# Altium PCB Hrafn_backup.PcbDoc (part 5 of 5) (continued)
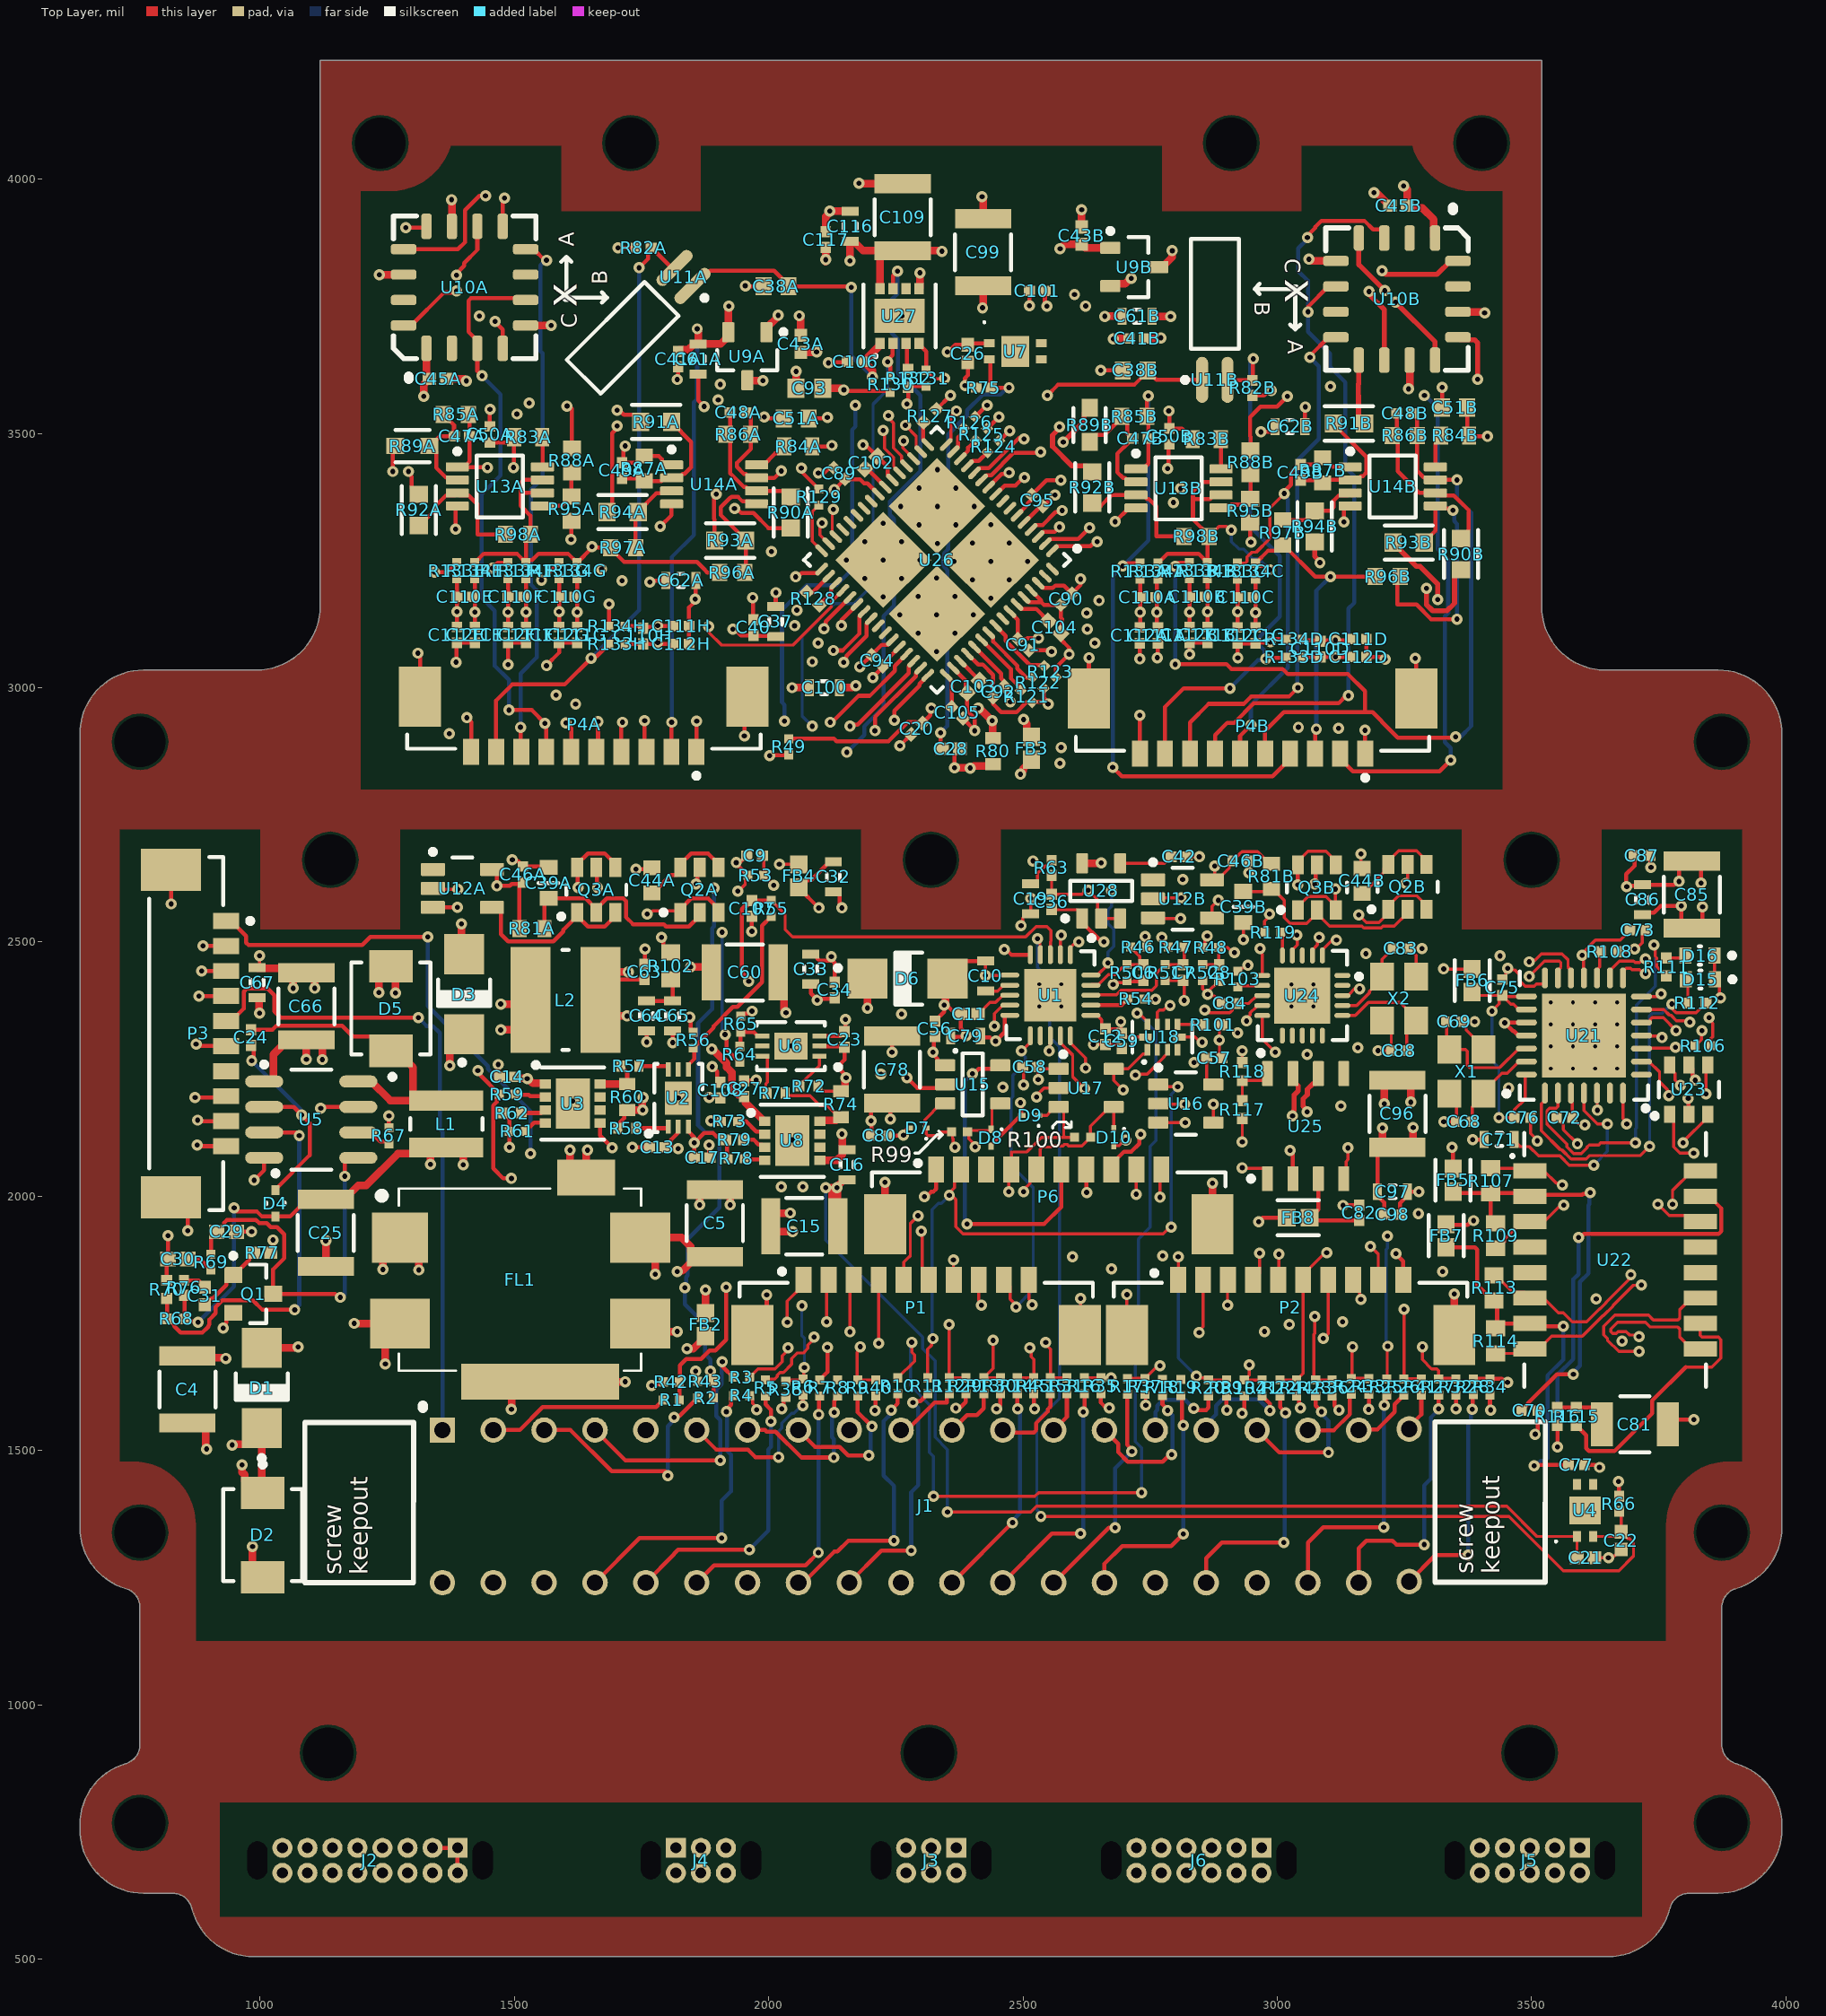
[diagram p0: Top Layer view]
## Nets (pads, with @x,y where several pads share a name; then routed paths per layer and width w, separated by ;. In a path a pad name is that pad's centre, name@x,y a point inside that pad or via, vN(x,y) a via of type N, cw(c..) or ccw(c..) an arc to the next point about the centre after c; other vN are vias at no path point) (continued)
VMON_A5V: C9.2 R49.1 R53.2 U1.20 | length 1337.9
  Top Layer w6: v1(1939.15,2599.76) 1940.31,2599.76 1953.6,2613.05 1953.6,2625.84 R53.2@1958.66,2630.91 ; U1.20@2633.35,2434.65 2646.09,2434.65 2667,2455.55 v1(2667,2459)
  Top Layer w8: C9.2@1957.09,2669.29 1956.3,2669.29 1946.48,2659.47 1939.47,2659.47 v1(1936,2656) 1936,2653.57 R53.2@1958.66,2630.91 ; v1(2001.97,2866.14) 2002.95,2867.13 2038.39,2867.13 R49.1@2039.37,2868.11
  Internal Top w6: v1(1939.15,2599.76) 1993.49,2599.76 2001.03,2592.22 2081.29,2592.22 2088.35,2599.28 2338.79,2599.28 2360.5,2621 2654,2621 v1(2674,2601)
  Internal Bottom w8: v1(1936,2656) 1936,2726.07 1932.09,2729.98 1932.09,2796.26 v1(2001.97,2866.14)
  Bottom Layer w6: v1(2667,2459) 2667,2480.1 2678,2491.1 2678,2525 2667,2536 2667,2562.84 2674,2569.84 v1(2674,2601)
VMON_D3V3: C6.2 R46.1 R50.2 U1.19 | length 165.4
  Top Layer w6: U1.19@2633.35,2414.96 2634.7,2416.3 2648.3,2416.3 2667.72,2435.72 2681.1,2435.72 2694.98,2449.61 2698.52,2449.61 R50.2@2704.38,2455.46 C6.2@2736.48,2455.46 ; R46.1@2711.25,2490 2729.64,2471.61 2729.64,2462.31 C6.2@2736.48,2455.46 ; C6.2@2736.88,2455.07 C6.2@2736.48,2455.46
VMON_D5V: C8.2 R48.1 R52.2 U1.1 | length 451
  Top Layer w6: U1.1@2593,2475 2593,2488.78 2604.22,2500 v1(2609.25,2500) ; R52.2@2852.99,2455.46 2884.41,2455.46 2884.75,2455.8 R48.1@2884.75,2489 2902.61,2489 2912.28,2479.33 v1(2915.35,2479.33)
  Internal Top w6: v1(2609.25,2500) 2632.25,2477 2658.13,2477 2659.13,2478 2914.02,2478 v1(2915.35,2479.33)
VsrA: C39A.1 Q2A.2 Q3A.2 R81A.1 | length 447.2
  Top Layer w8: R81A.1@1559.06,2526.57 1559.06,2577.76 C39A.1@1566.93,2585.63 1607.84,2585.63 1607.89,2585.69 1640.02,2585.69 Q3A.2@1660.83,2564.88 ; Q2A.2@1863.9,2557.99 1863.9,2551.1 1843.09,2530.29 1798,2530.29 1793.28,2535 1733,2535 1719.05,2548.95 1719.05,2580.42 1713.77,2585.69 1681.64,2585.69 Q3A.2@1660.83,2564.88 ; Q3A.2@1660.83,2564.88 Q3A.2@1660.83,2557.99 Q3A.2@1660.83,2564.88
VsrB: C39B.1 Q2B.2 Q3B.2 R81B.1 | length 426
  Top Layer w6: C39B.1@2933.07,2599.41 2983.27,2599.41 R81B.1@2988.19,2604.33 2991.14,2604.33 3013.58,2581.9 3013.58,2547.95 3025.23,2536.29 3057.94,2536.29 Q3B.2@3077.76,2556.1 ; Q2B.2@3255.89,2564.05 3255.89,2557.16 3229.73,2531 3207.89,2531 3204.27,2527.39 3170.06,2527.39 3166.44,2531 3102.86,2531 Q3B.2@3077.76,2556.1 ; Q3B.2@3077.76,2556.1 Q3B.2@3077.76,2562.99 Q3B.2@3077.76,2556.1
pads on no net: J1.17 J2.0 J2.4 J2.5 J2.6 J2.7 J2.8 J2.12 J2.13 J2.14 J2.15 J2.16 J3.0 J4.0 J5.0 J5.4 J5.5 J5.9 J5.10 J6.0 J6.3 J6.4 J6.5 J6.6 J6.9 J6.10 J6.11 J6.12 P3.7 P6.3 R8.1 R18.1 R19.2 U1.12 U2.5 U3.6 U4.3 U4.4 U4.5 U6.5 U7.3 U7.4 U7.5 U8.6 U10A.2 U10A.7 U10A.15 U10B.2 U10B.7 U10B.15 U12A.1 U12B.1 U18.2 U18.4 U18.7 U21.1 U21.27 U22.4 U22.5 U22.12 U22.13 U24.1 U24.2 U24.3 U24.4 U24.5 U24.9 U24.10 U24.13 U25.5 U26.7 U26.8 U26.25 U26.26 U26.27 U26.28 U26.29 U26.41 U26.42 U26.57 U26.63 U26.64 U27.6

## Polygon pours and split planes (outlines as drawn)
no net on Top Solder (solid, pour order 0): 645.5,754.31 645.5,764.34 cw(c770.5,764.34) 735.32,884.29 ccw(c724.24,922.07) 763.61,922.07 763.61,1190.88 ccw(c724.24,1190.88) 735.32,1228.66 cw(c770.5,1348.6) 645.5,1348.6 645.5,2909.82 cw(c770.5,2909.82) 770.5,3034.82 992.94,3034.82 ccw(c992.94,3159.82) 1117.94,3159.82 1117.94,4234.03 3519.52,4234.03 3519.52,3159.82 ccw(c3644.52,3159.82) 3644.52,3034.82 3866.96,3034.82 cw(c3866.96,2909.82) 3991.96,2909.82 3991.96,1348.6 cw(c3866.96,1348.6) 3902.14,1228.66 ccw(c3913.22,1190.88) 3873.85,1190.88 3873.85,922.07 ccw(c3913.22,922.07) 3902.14,884.29 cw(c3866.96,764.34) 3991.96,764.34 3991.96,754.31 cw(c3866.96,754.31) 3866.96,629.31 3809.96,629.31 ccw(c3809.96,589.94) 3771.75,599.41 cw(c3650.42,629.5) 3650.42,504.5 987.04,504.5 cw(c987.04,629.5) 865.71,599.41 ccw(c827.5,589.94) 827.5,629.31 770.5,629.31 cw(c770.5,754.31)
DGND on Bottom Layer "Bottom Layer 1-DGND" (solid, pour order 2): 645.5,754.31 645.5,764.34 cw(c770.5,764.34) 735.32,884.29 ccw(c724.24,922.07) 763.61,922.07 763.61,1190.88 ccw(c724.24,1190.88) 735.32,1228.66 cw(c770.5,1348.6) 645.5,1348.6 645.5,2909.82 cw(c770.5,2909.82) 770.5,3034.82 992.94,3034.82 ccw(c992.94,3159.82) 1117.94,3159.82 1117.94,4234.03 3519.52,4234.03 3519.52,3159.82 ccw(c3644.52,3159.82) 3644.52,3034.82 3866.96,3034.82 cw(c3866.96,2909.82) 3991.96,2909.82 3991.96,1348.6 cw(c3866.96,1348.6) 3902.14,1228.66 ccw(c3913.22,1190.88) 3873.85,1190.88 3873.85,922.07 ccw(c3913.22,922.07) 3902.14,884.29 cw(c3866.96,764.34) 3991.96,764.34 3991.96,754.31 cw(c3866.96,754.31) 3866.96,629.31 3809.96,629.31 ccw(c3809.96,589.94) 3771.75,599.41 cw(c3650.42,629.5) 3650.42,504.5 987.04,504.5 cw(c987.04,629.5) 865.71,599.41 ccw(c827.5,589.94) 827.5,629.31 770.5,629.31 cw(c770.5,754.31)
no net on Bottom Solder (solid, pour order 3): 645.5,754.31 645.5,764.34 cw(c770.5,764.34) 735.32,884.29 ccw(c724.24,922.07) 763.61,922.07 763.61,1190.88 ccw(c724.24,1190.88) 735.32,1228.66 cw(c770.5,1348.6) 645.5,1348.6 645.5,2909.82 cw(c770.5,2909.82) 770.5,3034.82 992.94,3034.82 ccw(c992.94,3159.82) 1117.94,3159.82 1117.94,4234.03 3519.52,4234.03 3519.52,3159.82 ccw(c3644.52,3159.82) 3644.52,3034.82 3866.96,3034.82 cw(c3866.96,2909.82) 3991.96,2909.82 3991.96,1348.6 cw(c3866.96,1348.6) 3902.14,1228.66 ccw(c3913.22,1190.88) 3873.85,1190.88 3873.85,922.07 ccw(c3913.22,922.07) 3902.14,884.29 cw(c3866.96,764.34) 3991.96,764.34 3991.96,754.31 cw(c3866.96,754.31) 3866.96,629.31 3809.96,629.31 ccw(c3809.96,589.94) 3771.75,599.41 cw(c3650.42,629.5) 3650.42,504.5 987.04,504.5 cw(c987.04,629.5) 865.71,599.41 ccw(c827.5,589.94) 827.5,629.31 770.5,629.31 cw(c770.5,754.31)
DGND on Top Layer "Top Layer 1-No Net" (solid, pour order 1): 645.5,754.31 645.5,764.34 cw(c770.5,764.34) 735.32,884.29 ccw(c724.24,922.07) 763.61,922.07 763.61,1190.88 ccw(c724.24,1190.88) 735.32,1228.66 cw(c770.5,1348.6) 645.5,1348.6 645.5,2909.82 cw(c770.5,2909.82) 770.5,3034.82 992.94,3034.82 ccw(c992.94,3159.82) 1117.94,3159.82 1117.94,4234.03 3519.52,4234.03 3519.52,3159.82 ccw(c3644.52,3159.82) 3644.52,3034.82 3866.96,3034.82 cw(c3866.96,2909.82) 3991.96,2909.82 3991.96,1348.6 cw(c3866.96,1348.6) 3902.14,1228.66 ccw(c3913.22,1190.88) 3873.85,1190.88 3873.85,922.07 ccw(c3913.22,922.07) 3902.14,884.29 cw(c3866.96,764.34) 3991.96,764.34 3991.96,754.31 cw(c3866.96,754.31) 3866.96,629.31 3809.96,629.31 ccw(c3809.96,589.94) 3771.75,599.41 cw(c3650.42,629.5) 3650.42,504.5 987.04,504.5 cw(c987.04,629.5) 865.71,599.41 ccw(c827.5,589.94) 827.5,629.31 770.5,629.31 cw(c770.5,754.31)
NetC4_1 on PWR (split plane): 1357.04,1880.66 1357.04,1625.13 1357.38,1622.52 1358.39,1620.08 1359.99,1617.99 1498.77,1479.22 1498.77,1192.91 1498.77,524.6 987.04,524.6 986.36,524.53 977.88,524.9 968.8,526.1 959.86,528.08 951.12,530.84 942.66,534.34 934.54,538.57 926.81,543.49 919.54,549.07 912.79,555.26 906.6,562.01 901.02,569.28 896.1,577 891.87,585.13 888.37,593.59 885.61,602.33 885.45,603.08 885.42,603.33 885.3,603.72 885.19,604.24 885.16,604.24 883.63,609.58 881.07,615.74 877.85,621.57 873.99,627.01 869.55,631.98 864.57,636.43 859.13,640.29 853.3,643.51 847.14,646.06 840.73,647.91 834.16,649.03 827.58,649.4 827.5,649.4 770.5,649.4 769.82,649.34 761.35,649.71 752.27,650.9 743.32,652.88 734.59,655.64 726.13,659.14 718,663.37 710.27,668.3 703.01,673.87 696.25,680.06 690.07,686.81 684.49,694.08 679.57,701.81 675.34,709.93 671.83,718.39 669.08,727.13 667.1,736.07 665.9,745.16 665.53,753.63 665.6,754.31 665.6,764.34 665.53,765.02 665.9,773.49 667.1,782.57 669.08,791.51 671.83,800.25 675.34,808.71 679.57,816.84 684.49,824.56 690.07,831.83 696.25,838.59 703.01,844.77 710.27,850.35 718,855.27 726.13,859.5 734.59,863.01 740.97,865.02 740.95,865.09 740.97,865.1 743.88,865.94 750.04,868.49 755.88,871.72 761.32,875.57 766.29,880.02 770.73,884.99 774.59,890.43 777.82,896.26 780.37,902.43 782.21,908.83 783.33,915.41 783.7,921.99 783.71,922.07 783.71,1190.88 783.7,1190.96 783.33,1197.54 782.21,1204.11 780.37,1210.52 777.82,1216.68 774.59,1222.51 770.73,1227.95 766.29,1232.93 761.32,1237.37 755.88,1241.23 750.04,1244.45 743.88,1247.01 740.97,1247.84 740.95,1247.85 740.97,1247.92 734.59,1249.94 726.13,1253.44 718,1257.67 710.27,1262.59 703.01,1268.17 696.25,1274.36 690.07,1281.11 684.49,1288.38 679.57,1296.1 675.34,1304.23 671.83,1312.69 669.08,1321.43 667.1,1330.37 665.9,1339.45 665.53,1347.92 665.6,1348.6 665.6,1709.91 1005,1709.91 1007.61,1710.26 1010.04,1711.27 1012.13,1712.87 1203.18,1903.91 1333.79,1903.91
D5V on PWR (split plane): 177 vertices, not listed, extent 860.48,1773.09 2608.14,2851.13
D3V3 on PWR (split plane): 319 vertices, not listed, extent 665.53,524.53 3971.93,3014.79
NetC25_1 on PWR (split plane): 1586.37,2275.83 1513.78,2275.83 1511.17,2275.49 1510.16,2275.07 1508.74,2274.48 1506.65,2272.88 1488.93,2255.16 1488.19,2254.19 1487.33,2253.08 1487.33,2253.07 1486.32,2250.64 1486.07,2248.72 1485.98,2248.03 1485.98,2070.12 1455.47,2039.61 1329.97,2039.61 1297.49,2072.09 1297.49,2126.73 1437.25,2266.49 1438.85,2268.58 1439.86,2271.01 1440.2,2273.62 1440.2,2376.73 1515,2451.53 1586.37,2451.53
A3V3 on PWR (split plane): 2610.98,3791.34 2611.32,3788.73 2612.33,3786.29 2613.93,3784.21 2714.32,3683.81 2714.32,3657.48 2714.67,3654.87 2715.68,3652.44 2717.28,3650.35 2831.45,3536.18 2833.54,3534.57 2834.25,3534.28 2835.97,3533.57 2838.58,3533.22 3499.42,3533.22 3499.42,3159.82 3499.43,3159.75 3499.79,3149.47 3500.9,3139.17 3502.74,3128.98 3505.3,3118.94 3508.57,3109.11 3512.53,3099.54 3517.17,3090.28 3522.46,3081.38 3528.36,3072.87 3534.86,3064.8 3541.92,3057.22 3549.5,3050.16 3557.57,3043.67 3566.07,3037.76 3574.98,3032.47 3584.24,3027.84 3593.81,3023.87 3603.64,3020.6 3613.67,3018.04 3623.87,3016.2 3634.16,3015.1 3644.45,3014.73 3644.52,3014.72 3647.39,3014.72 3647.39,2987.45 3462.36,2802.41 2820.87,2802.41 2818.26,2802.06 2817.54,2801.77 2815.82,2801.06 2813.73,2799.45 2672.99,2658.71 2652.32,2638.04 2627.21,2638.04 2627.21,2643.7 2627.09,2644.61 2626.87,2646.31 2626.45,2647.32 2625.86,2648.74 2624.68,2650.28 2624.26,2650.83 2584.64,2690.45 2584.64,2785.68 2584.59,2786.08 2584.3,2788.29 2583.29,2790.72 2581.69,2792.81 2506.15,2868.35 2505.87,2868.56 2504.06,2869.95 2502.63,2870.55 2501.63,2870.96 2499.36,2871.26 2499.02,2871.31 2461.61,2871.31 2459,2870.96 2456.57,2869.95 2454.48,2868.35 2441.69,2855.56 2439.96,2855.56 2437.35,2855.21 2435.92,2854.62 2434.92,2854.21 2432.83,2852.6 2366.89,2786.66 1203,2786.66 998.28,2991.38 998.28,3014.92 1003.29,3015.1 1013.59,3016.2 1023.78,3018.04 1033.82,3020.6 1043.65,3023.87 1053.21,3027.84 1062.48,3032.47 1071.38,3037.76 1079.89,3043.67 1087.96,3050.16 1095.54,3057.22 1102.59,3064.8 1109.09,3072.87 1115,3081.38 1120.29,3090.28 1124.92,3099.54 1128.89,3109.11 1132.16,3118.94 1134.72,3128.98 1136.56,3139.17 1137.66,3149.47 1138.03,3159.75 1138.04,3159.82 1138.04,3524.36 1654.53,3524.36 1657.14,3524.71 1659.57,3525.71 1661.66,3527.32 1783.71,3649.36 1941.93,3649.36 1944.54,3649.71 1946.21,3650.4 1946.97,3650.71 1947.6,3651.2 1949.06,3652.32 1969,3672.25 1976.14,3665.11 1978.22,3663.51 1980.66,3662.5 1983.27,3662.16 2049.21,3662.16 2051.82,3662.5 2054.26,3663.51 2056.34,3665.11 2057.95,3667.2 2058.95,3669.63 2059.3,3672.24 2059.3,3676.92 2192.17,3809.8 2610.98,3809.8
VBA on PWR (split plane): 2322.59,3896.9 2082.68,3896.9 2080.07,3896.55 2078.35,3895.84 2077.63,3895.55 2075.55,3893.94 2018.46,3836.86 2009.84,3836.86 2008.81,3836.72 2007.23,3836.51 2006.81,3836.34 2004.8,3835.51 2002.71,3833.9 1959.4,3790.6 1958.66,3789.62 1957.8,3788.51 1956.79,3786.07 1956.54,3784.15 1956.45,3783.46 1956.45,3688.98 1956.45,3688.23 1937.75,3669.53 1779.53,3669.53 1776.92,3669.19 1774.48,3668.18 1772.4,3666.58 1650.35,3544.53 1138.04,3544.53 1138.04,4213.93 2322.59,4213.93
3V3_RAW on PWR (split plane): 1905.27,2310.78 1905.27,2265.99 1843.74,2265.99 1836.86,2272.88 1834.77,2274.48 1833.76,2274.9 1832.33,2275.49 1830.07,2275.79 1829.72,2275.83 1606.54,2275.83 1606.54,2459.4 1756.65,2459.4
5V_RAW on PWR (split plane): 1624.76,2227.36 1624.76,2144.69 1625.1,2142.08 1626.11,2139.64 1627.71,2137.55 1716.29,2048.97 1786.18,1979.09 1788.26,1977.48 1790.7,1976.48 1793.31,1976.13 1956.45,1976.13 1956.45,1952.71 1825.83,1822.09 1754.19,1822.09 1506.15,2070.12 1506.15,2243.85 1517.96,2255.66 1624.76,2255.66
NetC32_2 on PWR (split plane): 2242.87,2556.84 2244.96,2555.24 2247.39,2554.23 2250,2553.89 2374.75,2553.89 2377.36,2554.23 2379.8,2555.24 2381.89,2556.84 2388.77,2563.73 2546.02,2563.73 2576.53,2533.22 2578.62,2531.62 2581.05,2530.61 2582.63,2530.4 2583.66,2530.27 2644.44,2530.27 2664.13,2510.59 2664.13,2480.56 2652.32,2468.75 2595.71,2468.75 2558.3,2506.16 2557.95,2507.01 2556.34,2509.1 2554.26,2510.7 2551.82,2511.71 2549.21,2512.05 2033.71,2512.05 2033.71,2569.64 2050.44,2586.37 2213.34,2586.37
A5V on PWR (split plane): 2561.76,3583.97 2561.76,3557.03 2420.03,3415.29 2419.66,3414.81 2418.43,3413.21 2418.01,3412.2 2417.42,3410.77 2417.12,3408.51 2417.08,3408.16 2417.08,3339.57 2417.23,3338.42 2417.42,3336.96 2417.9,3335.81 2418.43,3334.53 2418.43,3334.52 2419.29,3333.4 2420.03,3332.44 2426.92,3325.55 2426.92,3043.31 2427.27,3040.7 2428.27,3038.26 2429.88,3036.18 2521.66,2944.39 2502.71,2925.44 2325.04,2925.44 2256.15,2994.34 2256.15,3041.34 2256.15,3472.44 2255.81,3475.05 2254.8,3477.48 2253.2,3479.57 2186.27,3546.5 2186.27,3663.14 2203,3679.87 2465.86,3679.87
MAG_5V on PWR (split plane): 2729.09,3880.16 2678.89,3829.97 2187.99,3829.97 2185.38,3829.62 2183.66,3828.91 2182.95,3828.62 2180.86,3827.01 2042.08,3688.23 2040.48,3686.15 2039.47,3683.71 2039.29,3682.33 1987.45,3682.33 1976.62,3693.15 1976.62,3779.29 2014.02,3816.69 2022.64,3816.69 2025.25,3817.03 2027.68,3818.04 2029.77,3819.64 2086.86,3876.73 2328.52,3876.73 2330.07,3876.08 2332.68,3875.74 2335.29,3876.08 2336.84,3876.73 2620.08,3876.73 2620.77,3876.82 2622.69,3877.07 2625.12,3878.08 2626.58,3879.19 2627.21,3879.68 2679.38,3931.84 2729.09,3931.84
VBB on PWR (split plane): 3499.42,3553.39 2842.76,3553.39 2734.5,3661.66 2734.5,3687.99 2734.15,3690.6 2733.14,3693.04 2731.54,3695.12 2631.15,3795.52 2631.15,3809.8 2683.07,3809.8 2683.76,3809.89 2685.68,3810.14 2688.11,3811.15 2689.57,3812.26 2690.2,3812.75 2746.31,3868.85 2747.91,3870.94 2748.33,3871.95 2748.92,3873.37 2749.26,3875.98 2749.26,3941.93 2748.92,3944.54 2747.91,3946.97 2746.31,3949.06 2744.22,3950.66 2741.78,3951.67 2739.17,3952.02 2675.2,3952.02 2674.51,3951.93 2672.59,3951.67 2672.17,3951.5 2670.15,3950.66 2668.34,3949.27 2668.07,3949.06 2615.9,3896.9 2342.76,3896.9 2342.76,4213.93 3499.42,4213.93
SGND on GND (split plane): 267 vertices, not listed, extent 665.53,524.53 3971.93,1781.25
DGND on GND (split plane): 3876.11,3014.42 3885.19,3013.22 3894.13,3011.24 3902.87,3008.49 3911.33,3004.98 3919.46,3000.75 3927.18,2995.83 3934.45,2990.25 3941.2,2984.06 3947.39,2977.31 3952.97,2970.04 3957.89,2962.32 3962.12,2954.19 3965.62,2945.73 3968.38,2936.99 3970.36,2928.05 3971.56,2918.97 3971.93,2910.5 3971.86,2909.82 3971.86,1628.09 3776,1628.09 3773.39,1627.74 3771.67,1627.03 3770.96,1626.73 3768.87,1625.13 3708.42,1564.68 3706.82,1562.6 3705.81,1560.16 3705.47,1557.55 3705.47,817.17 1501.23,817.17 1415.6,902.8 1415.6,1753.94 1415.25,1756.55 1414.74,1757.8 1414.25,1758.98 1412.64,1761.07 1375.24,1798.47 1374.69,1798.89 1373.15,1800.07 1370.72,1801.08 1369.14,1801.29 1368.11,1801.42 1081.69,1801.42 1079.08,1801.08 1076.65,1800.07 1074.56,1798.47 1003.7,1727.61 665.6,1727.61 665.6,2909.82 665.53,2910.5 665.9,2918.97 667.1,2928.05 669.08,2936.99 671.83,2945.73 675.34,2954.19 679.57,2962.32 684.49,2970.04 690.07,2977.31 696.25,2984.06 703.01,2990.25 710.27,2995.83 718,3000.75 726.13,3004.98 734.59,3008.49 743.32,3011.24 752.27,3013.22 761.35,3014.42 769.82,3014.79 770.5,3014.72 980.07,3014.72 980.07,2986.22 980.42,2983.61 981.42,2981.18 983.03,2979.09 1195.62,2766.49 1197.71,2764.89 1198.43,2764.59 1200.15,2763.88 1202.76,2763.54 2248.03,2763.54 2250.64,2763.88 2251.36,2764.17 2253.08,2764.89 2255.16,2766.49 2349.65,2860.98 2501.73,2860.98 2614.92,2747.79 2617,2746.19 2619.44,2745.18 2622.05,2744.84 3429.13,2744.84 3431.74,2745.18 3434.18,2746.19 3436.27,2747.79 3665.6,2977.12 3667.2,2979.21 3668.21,2981.64 3668.55,2984.25 3668.55,3014.72 3866.96,3014.72 3867.64,3014.79
AGND on GND (split plane): 3499.42,3159.82 3499.43,3159.75 3499.79,3149.47 3500.9,3139.17 3502.74,3128.98 3505.3,3118.94 3508.57,3109.11 3512.53,3099.54 3517.17,3090.28 3522.46,3081.38 3528.36,3072.87 3534.86,3064.8 3541.92,3057.22 3549.5,3050.16 3557.57,3043.67 3566.07,3037.76 3574.98,3032.47 3584.24,3027.84 3593.81,3023.87 3603.64,3020.6 3613.67,3018.04 3623.87,3016.2 3634.16,3015.1 3644.45,3014.73 3644.52,3014.72 3648.38,3014.72 3648.38,2988.43 3424.96,2765.01 2626.23,2765.01 2513.04,2878.2 2510.95,2879.8 2508.52,2880.81 2505.91,2881.15 2345.47,2881.15 2342.86,2880.81 2342.15,2880.51 2340.43,2879.8 2338.34,2878.2 2243.85,2783.71 1206.93,2783.71 1000.24,2990.4 1000.24,3014.99 1003.29,3015.1 1013.59,3016.2 1023.78,3018.04 1033.82,3020.6 1043.65,3023.87 1053.21,3027.84 1062.48,3032.47 1071.38,3037.76 1079.89,3043.67 1087.96,3050.16 1095.54,3057.22 1102.59,3064.8 1109.09,3072.87 1115,3081.38 1120.29,3090.28 1124.92,3099.54 1128.89,3109.11 1132.16,3118.94 1134.72,3128.98 1136.56,3139.17 1137.66,3149.47 1138.03,3159.75 1138.04,3159.82 1138.04,4213.93 3499.42,4213.93

## Other copper
Top Layer:
  pour cut-out: 724.38,1478.89 748.98,1478.89 cw(c748.98,1353.89) 873.98,1353.89 873.98,1126.13 3763.75,1126.13 3763.75,1353.89 cw(c3888.75,1353.89) 3888.75,1478.89 3913.35,1478.89 3913.35,2720.75 3637.76,2720.75 3637.76,2523.9 3362.17,2523.9 3362.17,2720.75 2456.66,2720.75 2456.66,2523.9 2181.07,2523.9 2181.07,2720.75 1275.56,2720.75 1275.56,2523.9 999.97,2523.9 999.97,2720.75 724.38,2720.75
  pour cut-out: 1197.82,2800.36 1197.82,3975.95 1255.29,3975.95 ccw(c1255.29,4100.95) 1374.98,4064.93 1591.52,4064.93 1591.52,3936.58 1867.11,3936.58 1867.11,4064.93 2772.62,4064.93 2772.62,3936.58 3048.21,3936.58 3048.21,4064.93 3264.75,4064.93 ccw(c3384.44,4100.95) 3384.44,3975.95 3441.91,3975.95 3441.91,2800.36
  pour cut-out: 921.03,583.25 921.03,807.26 3716.31,807.26 3716.31,583.25
Bottom Layer:
  pour cut-out: 921.94,696.65 ccw(c1046.26,709.65) 1046.26,584.65 3591.54,584.65 ccw(c3591.54,709.65) 3715.86,696.65 ccw(c3591.54,683.66) 3591.54,808.66 1046.26,808.66 ccw(c1046.26,683.66)
  pour cut-out: 1319.88,2793.31 cw(c1319.88,2918.31) 1194.88,2918.31 1194.88,3869.73 cw(c1319.88,3869.73) 1286.12,3990.08 ccw(c1252.35,4110.43) 1347.97,4029.92 cw(c1443.59,3949.41) 1443.59,4074.41 1517.04,4074.41 cw(c1517.04,3949.41) 1612.66,4029.92 ccw(c1708.28,4110.43) 1708.28,3985.43 1744.48,3985.43 ccw(c1744.48,4110.43) 1840.09,4029.92 cw(c1935.71,3949.41) 1935.71,4074.41 2698.14,4074.41 cw(c2698.14,3949.41) 2793.76,4029.92 ccw(c2889.38,4110.43) 2889.38,3985.43 2925.58,3985.43 ccw(c2925.58,4110.43) 3021.2,4029.92 cw(c3116.81,3949.41) 3116.81,4074.41 3190.27,4074.41 cw(c3190.27,3949.41) 3285.89,4029.92 ccw(c3381.51,4110.43) 3347.74,3990.08 cw(c3313.98,3869.73) 3438.98,3869.73 3438.98,2918.31 cw(c3313.98,2918.31) 3313.98,2793.31
  pour cut-out: 871.93,1356.35 ccw(c746.93,1356.35) 798.11,1470.39 cw(c849.29,1584.43) 724.29,1584.43 724.29,2581.55 cw(c849.29,2581.55) 849.29,2706.55 880.6,2706.55 cw(c880.6,2581.55) 1002.74,2608.12 ccw(c1124.88,2634.7) 1124.88,2509.7 1150.47,2509.7 ccw(c1150.47,2634.7) 1272.62,2608.12 cw(c1394.76,2581.55) 1394.76,2706.55 2061.7,2706.55 cw(c2061.7,2581.55) 2183.84,2608.12 ccw(c2305.99,2634.7) 2305.99,2509.7 2331.58,2509.7 ccw(c2331.58,2634.7) 2453.72,2608.12 cw(c2575.86,2581.55) 2575.86,2706.55 3242.8,2706.55 cw(c3242.8,2581.55) 3364.95,2608.12 ccw(c3487.09,2634.7) 3487.09,2509.7 3512.68,2509.7 ccw(c3512.68,2634.7) 3634.82,2608.12 cw(c3756.96,2581.55) 3756.96,2706.55 3788.27,2706.55 cw(c3788.27,2581.55) 3913.27,2581.55 3913.27,1584.43 cw(c3788.27,1584.43) 3839.45,1470.39 ccw(c3890.63,1356.35) 3765.63,1356.35 3765.63,1253.59 cw(c3640.63,1253.59) 3640.63,1128.59 996.93,1128.59 cw(c996.93,1253.59) 871.93,1253.59
GND (plane layer: these items are gaps in the copper):
  lines w20: 646.65,1756.89 646.65,1717.52 1007.87,1717.52 1081.69,1791.34 1368.11,1791.34 1405.51,1753.94 1405.51,898.62 1497.05,807.09 3715.55,807.09 3715.55,1557.55 3776,1618 3992,1618 ; 990.16,3032.48 990.16,2986.22 1202.76,2773.62 2248.03,2773.62 2345.47,2871.06 2505.91,2871.06 2622.05,2754.92 3429.13,2754.92 3658.46,2984.25 3658.46,3034.45
PWR (plane layer: these items are gaps in the copper):
  lines w20: 646,1754 646,1720 1005,1720 1199,1914 1337.97,1914 1367.13,1884.84 1367.13,1625.13 1508.86,1483.39 1508.86,1192.91 1508.86,508.86 ; 850.39,2066.93 850.39,2581.69 ; 850.39,2067.91 1287.4,2067.91 ; 988.19,3032.48 988.19,2987.2 1198.82,2776.57 2371.06,2776.57 2439.96,2845.47 2445.87,2845.47 2461.61,2861.22 2499.02,2861.22 2574.56,2785.68 2574.56,2686.27 2617.13,2643.7 2617.13,2627.95 2656.5,2627.95 2680.12,2651.57 2820.87,2792.32 3466.54,2792.32 3657.48,2983.27 3657.48,3035.43 ; 1118.11,3593.5 1118.11,3534.45 1654.53,3534.45 1779.53,3659.45 1941.93,3659.45 1966.54,3684.06 1966.54,3688.98 ; 1531.5,2774.61 1531.5,2736.22 1532.48,2735.24 1532.48,2650.59 1532.48,2581.69 850.39,2581.69 ; 1634.84,2262.79 1634.84,2227.36 1634.84,2144.69 1723.43,2056.1 1793.31,1986.22 1966.54,1986.22 1966.54,1948.53 1830.01,1812 1750.01,1812 1496.06,2065.94 ; 1790.01,1812 1790.01,1772 1799.01,1763 2023.83,1763 2067.83,1807 2158.46,1897.64 2158.46,2055.12 2159.45,2054.13 2036.42,2054.13 2012.8,2077.76 2012.8,2275.59 2012.8,2491.14 2023.62,2501.97 ; 1792.32,2265.75 1794.29,2263.78 ; 1914.37,2315.94 1760.83,2469.49 1596.46,2469.49 ; 1915.35,2316.93 1915.35,2255.91 1839.57,2255.91 1829.72,2265.75 1596.46,2265.75 ; 2332.68,3885.83 2332.68,4231.3 ; 2617.13,2540.35 2617.13,2619.09 ; 2621.06,3818.9 2621.06,3791.34 2724.41,3687.99 2724.41,3657.48 2838.58,3543.31 3515.75,3543.31 3515.75,3606.3 ; 850.39,2581.69 850.39,2581.69 ; 1287.4,2067.91 1287.4,2130.91 1430.12,2273.62 1430.12,2380.9 1510.83,2461.61 1588.58,2461.61 1596.46,2469.49 ; 1287.4,2067.91 1325.79,2029.53 1459.65,2029.53 1496.06,2065.94 ; 1496.06,2065.94 1496.06,2065.94 ; 1496.06,2065.94 1496.06,2248.03 1513.78,2265.75 1596.46,2265.75 ; 1596.46,2265.75 1596.46,2469.49 ; 1966.54,3688.98 1966.54,3783.46 2009.84,3826.77 2022.64,3826.77 2082.68,3886.81 2620.08,3886.81 2675.2,3941.93 2739.17,3941.93 2739.17,3875.98 2683.07,3819.88 2537.4,3819.88 2187.99,3819.88 2049.21,3681.1 2049.21,3672.24 1983.27,3672.24 1966.54,3688.98 ; 2023.62,2501.97 2549.21,2501.97 2549.21,2500.98 2591.54,2458.66 2656.5,2458.66 2674.21,2476.38 2674.21,2514.76 2648.62,2540.35 2583.66,2540.35 2550.2,2573.82 2384.6,2573.82 2374.75,2563.98 2250,2563.98 2217.52,2596.46 2046.26,2596.46 2023.62,2573.82 2023.62,2501.97 ; 2176.18,3542.32 2176.18,3667.32 2198.82,3689.96 2373.03,3689.96 2470.04,3689.96 2571.85,3588.15 2571.85,3552.85 2427.17,3408.16 2427.17,3339.57 2437.01,3329.72 2437.01,3043.31 2535.93,2944.39 2506.89,2915.35 2320.87,2915.35 2246.06,2990.16 2246.06,3041.34 2246.06,3472.44 2176.18,3542.32

## Silkscreen, mask and mechanical layers (free items; w line width, h text height)
Top Overlay:
  lines w6: 2287,2085 2295,2085 2331,2121 2341.5,2121 ; 2334.5,2114 2341.5,2121 ; 2334.5,2128 2341.5,2121 ; 2558,2134 2558,2138 2566,2146 2585,2146 2595,2136 ; 2583,2135 2594,2135 2595,2136 ; 2595,2147 2595,2136
Top Solder:
  pour cut-out: 1196.85,2799.21 1196.85,3974.8 1254.32,3974.8 ccw(c1254.32,4099.8) 1374.02,4063.78 1590.55,4063.78 1590.55,3935.43 1866.14,3935.43 1866.14,4063.78 2771.65,4063.78 2771.65,3935.43 3047.24,3935.43 3047.24,4063.78 3263.78,4063.78 ccw(c3383.48,4099.8) 3383.48,3974.8 3440.94,3974.8 3440.94,2799.21
  pour cut-out: 724.41,1478.74 749.02,1478.74 cw(c749.02,1353.74) 874.02,1353.74 874.02,1125.98 3763.78,1125.98 3763.78,1353.74 cw(c3888.78,1353.74) 3888.78,1478.74 3913.39,1478.74 3913.39,2720.6 3637.8,2720.6 3637.8,2523.75 3362.2,2523.75 3362.2,2720.6 2456.69,2720.6 2456.69,2523.75 2181.1,2523.75 2181.1,2720.6 1275.59,2720.6 1275.59,2523.75 1000,2523.75 1000,2720.6 724.41,2720.6
  pour cut-out: 921.05,583.09 921.05,807.1 3716.33,807.1 3716.33,583.09
Bottom Solder:
  pour cut-out: 921.94,696.65 ccw(c1046.26,709.65) 1046.26,584.65 3591.54,584.65 ccw(c3591.54,709.65) 3715.86,696.65 ccw(c3591.54,683.66) 3591.54,808.66 1046.26,808.66 ccw(c1046.26,683.66)
  pour cut-out: 1322.82,2792.37 cw(c1322.82,2917.37) 1197.82,2917.37 1197.82,3868.79 cw(c1322.82,3868.79) 1289.05,3989.14 ccw(c1255.29,4109.49) 1350.9,4028.98 cw(c1446.52,3948.47) 1446.52,4073.47 1519.98,4073.47 cw(c1519.98,3948.47) 1615.6,4028.98 ccw(c1711.22,4109.49) 1711.22,3984.49 1747.41,3984.49 ccw(c1747.41,4109.49) 1843.03,4028.98 cw(c1938.65,3948.47) 1938.65,4073.47 2701.08,4073.47 cw(c2701.08,3948.47) 2796.7,4028.98 ccw(c2892.32,4109.49) 2892.32,3984.49 2928.52,3984.49 ccw(c2928.52,4109.49) 3024.13,4028.98 cw(c3119.75,3948.47) 3119.75,4073.47 3193.21,4073.47 cw(c3193.21,3948.47) 3288.83,4028.98 ccw(c3384.44,4109.49) 3350.68,3989.14 cw(c3316.91,3868.79) 3441.91,3868.79 3441.91,2917.37 cw(c3316.91,2917.37) 3316.91,2792.37
  pour cut-out: 871.93,1356.35 ccw(c746.93,1356.35) 798.11,1470.39 cw(c849.29,1584.43) 724.29,1584.43 724.29,2581.55 cw(c849.29,2581.55) 849.29,2706.55 880.6,2706.55 cw(c880.6,2581.55) 1002.74,2608.12 ccw(c1124.88,2634.7) 1124.88,2509.7 1150.47,2509.7 ccw(c1150.47,2634.7) 1272.62,2608.12 cw(c1394.76,2581.55) 1394.76,2706.55 2061.7,2706.55 cw(c2061.7,2581.55) 2183.84,2608.12 ccw(c2305.99,2634.7) 2305.99,2509.7 2331.58,2509.7 ccw(c2331.58,2634.7) 2453.72,2608.12 cw(c2575.86,2581.55) 2575.86,2706.55 3242.8,2706.55 cw(c3242.8,2581.55) 3364.95,2608.12 ccw(c3487.09,2634.7) 3487.09,2509.7 3512.68,2509.7 ccw(c3512.68,2634.7) 3634.82,2608.12 cw(c3756.96,2581.55) 3756.96,2706.55 3788.27,2706.55 cw(c3788.27,2581.55) 3913.27,2581.55 3913.27,1584.43 cw(c3788.27,1584.43) 3839.45,1470.39 ccw(c3890.63,1356.35) 3765.63,1356.35 3765.63,1253.59 cw(c3640.63,1253.59) 3640.63,1128.59 996.93,1128.59 cw(c996.93,1253.59) 871.93,1253.59
Top Bottom Assembly:
  lines w5: 1832,3461 1953,3461
board outline:
  the board outline again, w0.5
shape holding:
  drawing of 168 lines, arcs and shapes, not listed
cutouts:
  lines w0.5: 4020.24,5974 4020.24,7215.86 4295.83,7215.86 4295.83,7019.01 4571.42,7019.01 4571.42,7215.86 5476.93,7215.86 5476.93,7019.01 5752.52,7019.01 5752.52,7215.86 6658.04,7215.86 6658.04,7019.01 6933.63,7019.01 6933.63,7215.86 7209.22,7215.86 7209.22,5974 7184.61,5974 ccw(c7184.61,5849) 7059.61,5849 7059.61,5621.24 4169.85,5621.24 4169.85,5849 ccw(c4044.85,5849) 4044.85,5974 4020.24,5974 ; 4399.2,7766.35 4399.2,8941.94 4456.67,8941.94 ccw(c4456.67,9066.94) 4576.37,9030.92 4792.9,9030.92 4792.9,8902.57 5068.49,8902.57 5068.49,9030.92 5974,9030.92 5974,8902.57 6249.59,8902.57 6249.59,9030.92 6466.13,9030.92 ccw(c6585.83,9066.94) 6585.83,8941.94 6643.3,8941.94 6643.3,7766.35 4399.2,7766.35
Visual:
  drawing of 180 lines, arcs and shapes, not listed

## Text inside footprints (layer, text, board x,y; h text height)
J1: Top Overlay "screw / keepout" at 1211.61,1255.91 h35 r90; Top Overlay "screw / keepout" at 3437.01,1256.89 h35 r90
U10A: Top Overlay "C" at 1621.97,3707.32 h30 r90; Top Overlay "B" at 1681.97,3792.32 h30 r90; Top Overlay "A" at 1616.97,3867.32 h30 r90; Top Overlay "x" at 1621.97,3747.32 h60 r90
U10B: Top Overlay "C" at 3015.16,3844.17 h30 r270; Top Overlay "B" at 2955.16,3759.17 h30 r270; Top Overlay "A" at 3020.16,3684.17 h30 r270; Top Overlay "x" at 3015.16,3804.17 h60 r270